# KiCad board demo_matrix2.kicad_pcb (continued)
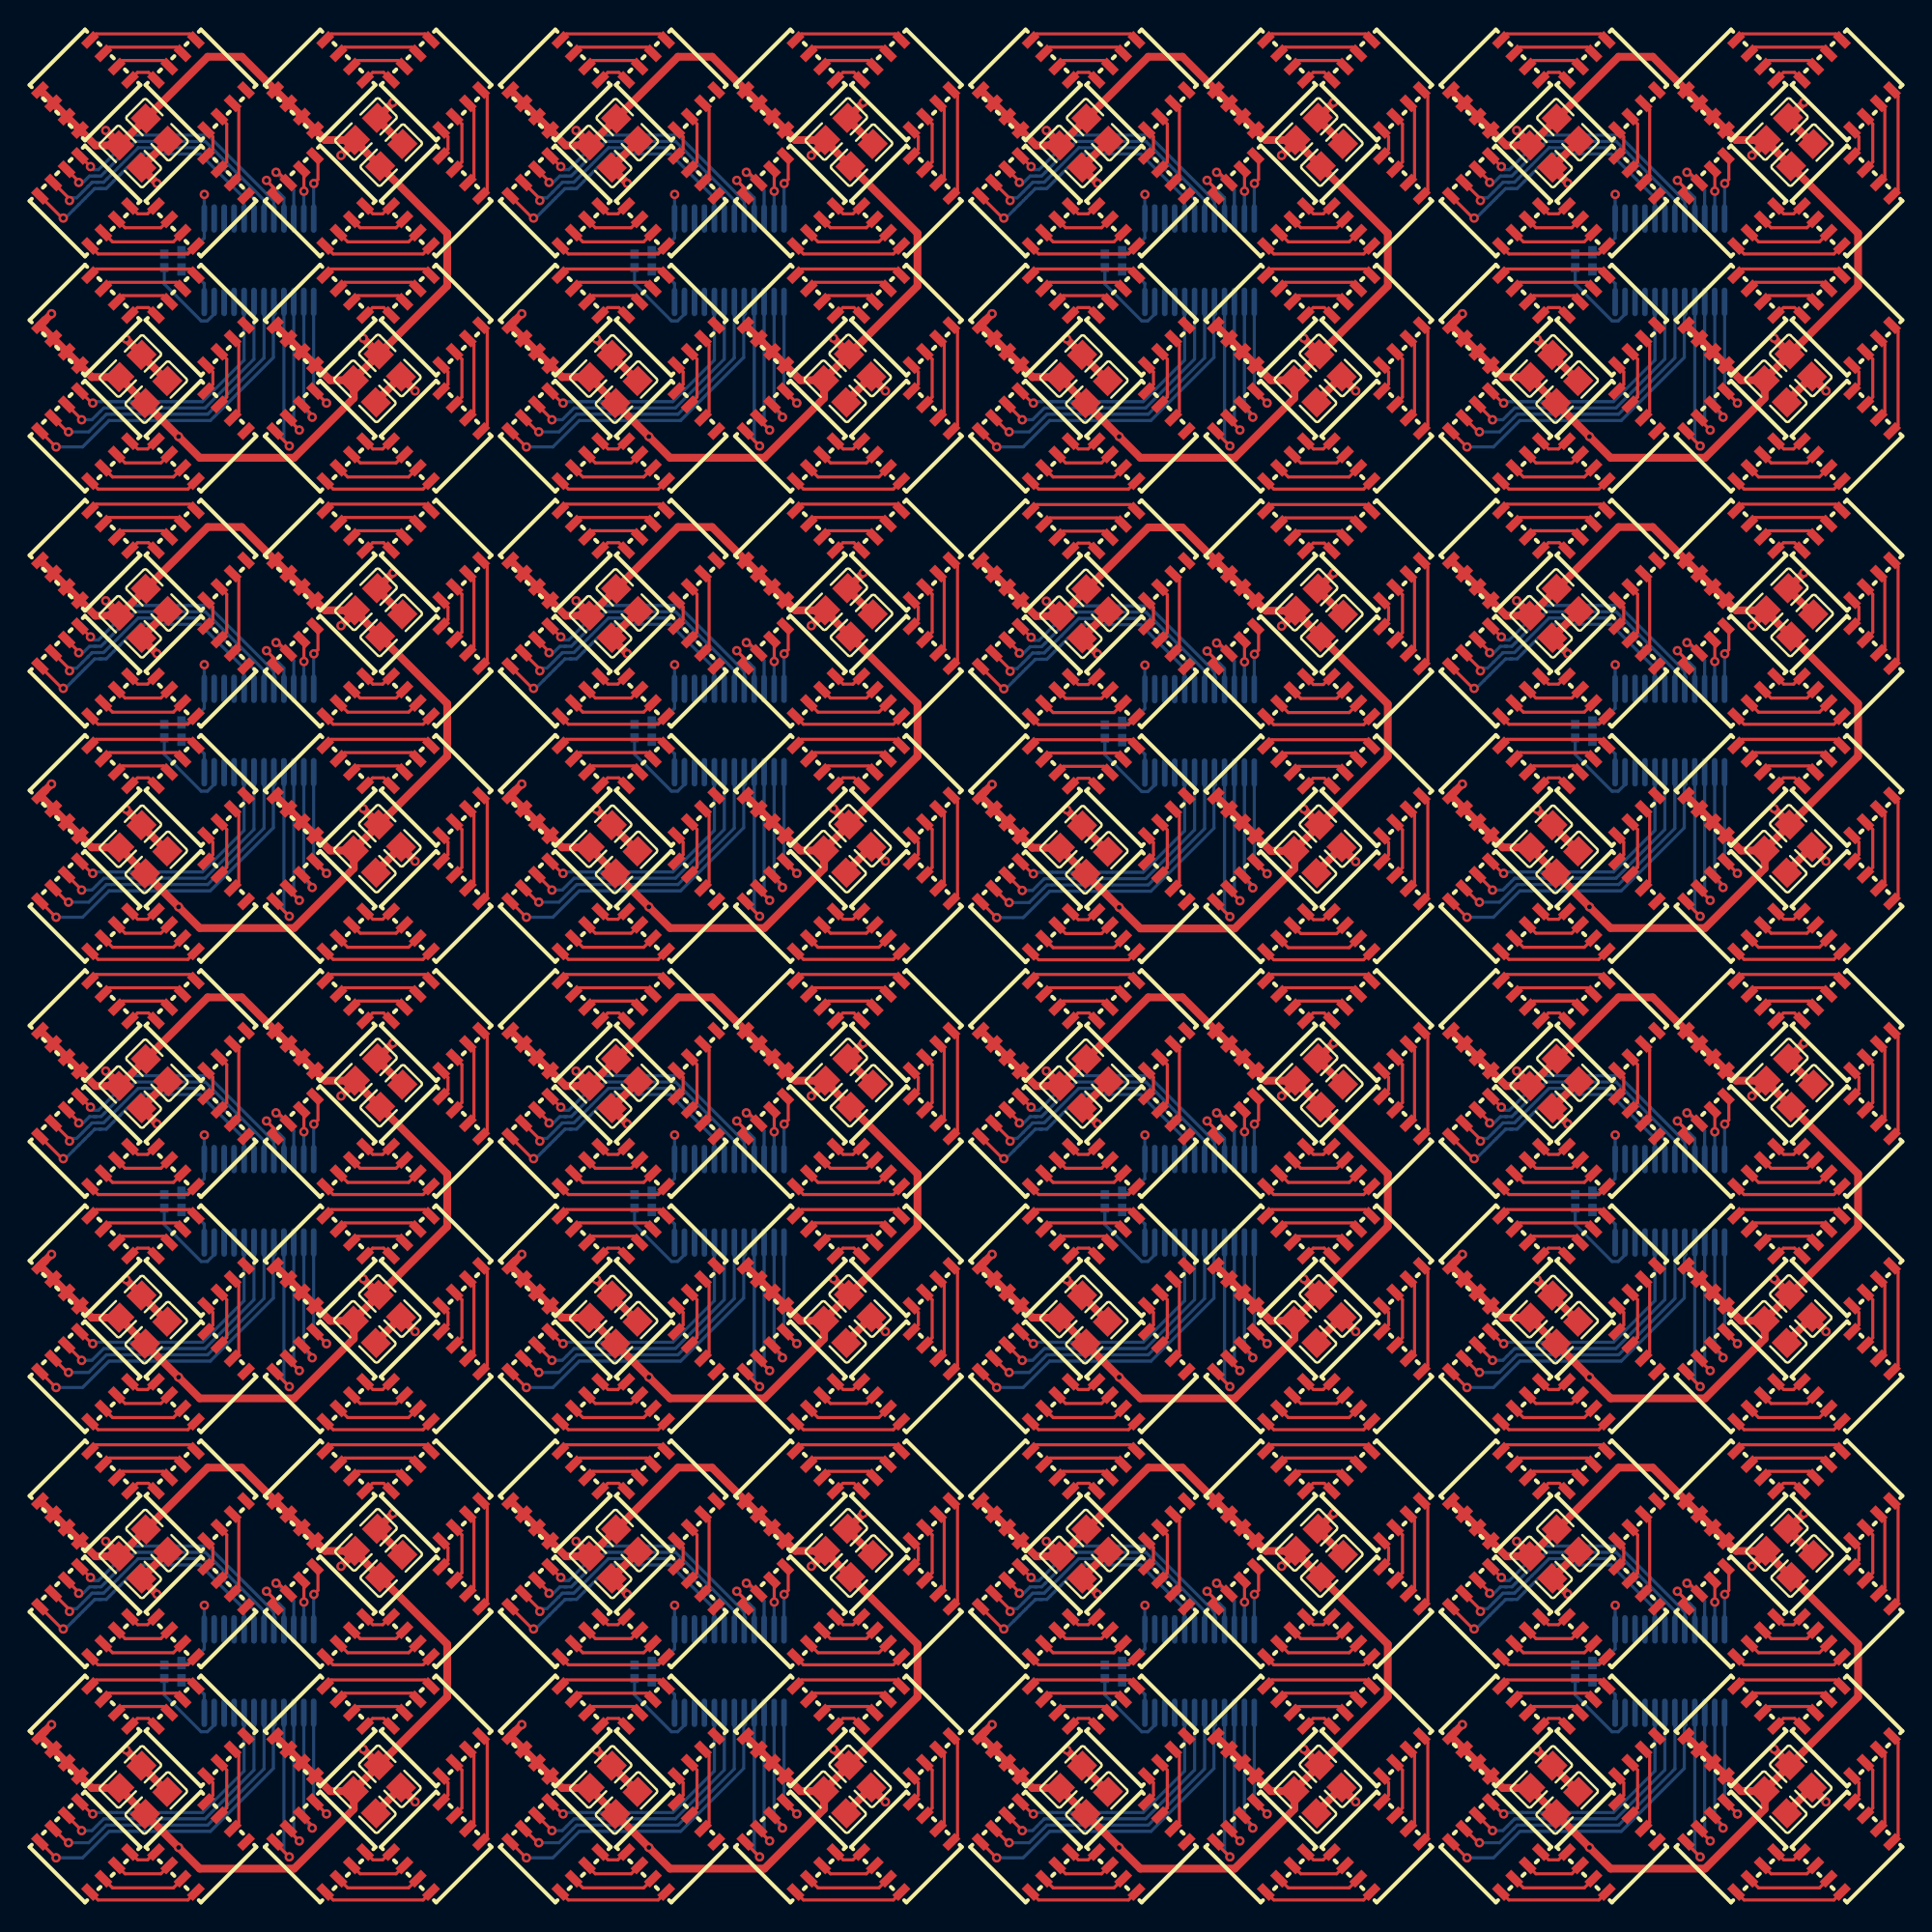
[diagram p0: board, top side]
## Library data of the parts (continued)
C119 = -: Datasheet: https://www.lcsc.com/datasheet/lcsc_datasheet_2304140030_Samsung-Electro-Mechanics-CL21A106KAYNNNE_C15850.pdf; checksum: 2efee64587c296a5cd0f3e349ce7cd0fc1c47f181b6484f8010775e222db87f5; __atopile_lib_fp_hash__: c5a05aaf-b100-3f7c-5a0c-497c1d001f05; LCSC: C15850; Manufacturer: Samsung Electro-Mechanics; Partnumber: CL21A106KAYNNNE; PARAM_capacitance: {"type": "Quantity_Interval_Disjoint", "data": {"intervals": {"type": "Numeric_Interval_Disjoint", "data": {"intervals": [{"type": "Numeric_Interval", "data": {"min": 8.999999985e-06, "max": 1.1000000015e-05}}]}}, "unit": "farad"}}; PARAM_max_voltage: {"type": "Quantity_Set_Discrete", "data": {"intervals": {"type": "Numeric_Interval_Disjoint", "data": {"intervals": [{"type": "Numeric_Interval", "data": {"min": 25.0, "max": 25.0}}]}}, "unit": "volt"}}; PARAM_temperature_coefficient: {"type": "EnumSet", "data": {"elements": [{"name": "X5R"}], "enum": {"name": "TemperatureCoefficient", "values": {"Y5V": 1, "Z5U": 2, "X7S": 3, "X5R": 4, "X6R": 5, "X7R": 6, "X8R": 7, "C0G": 8}}}}; atopile_address: clusters[13].decoupling_capacitors[1]; atopile_subaddresses: [elec/layout/cluster2x2/cluster2x2.kicad_pcb:decoupling_capacitors[1]]
C120 = -: Datasheet: https://www.lcsc.com/datasheet/lcsc_datasheet_2304140030_Samsung-Electro-Mechanics-CL21A106KAYNNNE_C15850.pdf; checksum: 2efee64587c296a5cd0f3e349ce7cd0fc1c47f181b6484f8010775e222db87f5; __atopile_lib_fp_hash__: c5a05aaf-b100-3f7c-5a0c-497c1d001f05; LCSC: C15850; Manufacturer: Samsung Electro-Mechanics; Partnumber: CL21A106KAYNNNE; PARAM_capacitance: {"type": "Quantity_Interval_Disjoint", "data": {"intervals": {"type": "Numeric_Interval_Disjoint", "data": {"intervals": [{"type": "Numeric_Interval", "data": {"min": 8.999999985e-06, "max": 1.1000000015e-05}}]}}, "unit": "farad"}}; PARAM_max_voltage: {"type": "Quantity_Set_Discrete", "data": {"intervals": {"type": "Numeric_Interval_Disjoint", "data": {"intervals": [{"type": "Numeric_Interval", "data": {"min": 25.0, "max": 25.0}}]}}, "unit": "volt"}}; PARAM_temperature_coefficient: {"type": "EnumSet", "data": {"elements": [{"name": "X5R"}], "enum": {"name": "TemperatureCoefficient", "values": {"Y5V": 1, "Z5U": 2, "X7S": 3, "X5R": 4, "X6R": 5, "X7R": 6, "X8R": 7, "C0G": 8}}}}; atopile_address: clusters[13].decoupling_capacitors[2]; atopile_subaddresses: [elec/layout/cluster2x2/cluster2x2.kicad_pcb:decoupling_capacitors[2]]
C121 = -: Datasheet: https://www.lcsc.com/datasheet/lcsc_datasheet_2304140030_Samsung-Electro-Mechanics-CL21A106KAYNNNE_C15850.pdf; checksum: 2efee64587c296a5cd0f3e349ce7cd0fc1c47f181b6484f8010775e222db87f5; __atopile_lib_fp_hash__: c5a05aaf-b100-3f7c-5a0c-497c1d001f05; LCSC: C15850; Manufacturer: Samsung Electro-Mechanics; Partnumber: CL21A106KAYNNNE; PARAM_capacitance: {"type": "Quantity_Interval_Disjoint", "data": {"intervals": {"type": "Numeric_Interval_Disjoint", "data": {"intervals": [{"type": "Numeric_Interval", "data": {"min": 8.999999985e-06, "max": 1.1000000015e-05}}]}}, "unit": "farad"}}; PARAM_max_voltage: {"type": "Quantity_Set_Discrete", "data": {"intervals": {"type": "Numeric_Interval_Disjoint", "data": {"intervals": [{"type": "Numeric_Interval", "data": {"min": 25.0, "max": 25.0}}]}}, "unit": "volt"}}; PARAM_temperature_coefficient: {"type": "EnumSet", "data": {"elements": [{"name": "X5R"}], "enum": {"name": "TemperatureCoefficient", "values": {"Y5V": 1, "Z5U": 2, "X7S": 3, "X5R": 4, "X6R": 5, "X7R": 6, "X8R": 7, "C0G": 8}}}}; atopile_address: clusters[13].decoupling_capacitors[3]; atopile_subaddresses: [elec/layout/cluster2x2/cluster2x2.kicad_pcb:decoupling_capacitors[3]]
C122 = -: Datasheet: https://www.lcsc.com/datasheet/lcsc_datasheet_2304140030_Samsung-Electro-Mechanics-CL21A106KAYNNNE_C15850.pdf; checksum: 2efee64587c296a5cd0f3e349ce7cd0fc1c47f181b6484f8010775e222db87f5; __atopile_lib_fp_hash__: c5a05aaf-b100-3f7c-5a0c-497c1d001f05; LCSC: C15850; Manufacturer: Samsung Electro-Mechanics; Partnumber: CL21A106KAYNNNE; PARAM_capacitance: {"type": "Quantity_Interval_Disjoint", "data": {"intervals": {"type": "Numeric_Interval_Disjoint", "data": {"intervals": [{"type": "Numeric_Interval", "data": {"min": 8.999999985e-06, "max": 1.1000000015e-05}}]}}, "unit": "farad"}}; PARAM_max_voltage: {"type": "Quantity_Set_Discrete", "data": {"intervals": {"type": "Numeric_Interval_Disjoint", "data": {"intervals": [{"type": "Numeric_Interval", "data": {"min": 25.0, "max": 25.0}}]}}, "unit": "volt"}}; PARAM_temperature_coefficient: {"type": "EnumSet", "data": {"elements": [{"name": "X5R"}], "enum": {"name": "TemperatureCoefficient", "values": {"Y5V": 1, "Z5U": 2, "X7S": 3, "X5R": 4, "X6R": 5, "X7R": 6, "X8R": 7, "C0G": 8}}}}; atopile_address: clusters[13].decoupling_capacitors[4]; atopile_subaddresses: [elec/layout/cluster2x2/cluster2x2.kicad_pcb:decoupling_capacitors[4]]
C123 = -: Datasheet: https://www.lcsc.com/datasheet/lcsc_datasheet_2304140030_Samsung-Electro-Mechanics-CL21A106KAYNNNE_C15850.pdf; checksum: 2efee64587c296a5cd0f3e349ce7cd0fc1c47f181b6484f8010775e222db87f5; __atopile_lib_fp_hash__: c5a05aaf-b100-3f7c-5a0c-497c1d001f05; LCSC: C15850; Manufacturer: Samsung Electro-Mechanics; Partnumber: CL21A106KAYNNNE; PARAM_capacitance: {"type": "Quantity_Interval_Disjoint", "data": {"intervals": {"type": "Numeric_Interval_Disjoint", "data": {"intervals": [{"type": "Numeric_Interval", "data": {"min": 8.999999985e-06, "max": 1.1000000015e-05}}]}}, "unit": "farad"}}; PARAM_max_voltage: {"type": "Quantity_Set_Discrete", "data": {"intervals": {"type": "Numeric_Interval_Disjoint", "data": {"intervals": [{"type": "Numeric_Interval", "data": {"min": 25.0, "max": 25.0}}]}}, "unit": "volt"}}; PARAM_temperature_coefficient: {"type": "EnumSet", "data": {"elements": [{"name": "X5R"}], "enum": {"name": "TemperatureCoefficient", "values": {"Y5V": 1, "Z5U": 2, "X7S": 3, "X5R": 4, "X6R": 5, "X7R": 6, "X8R": 7, "C0G": 8}}}}; atopile_address: clusters[13].decoupling_capacitors[5]; atopile_subaddresses: [elec/layout/cluster2x2/cluster2x2.kicad_pcb:decoupling_capacitors[5]]
C124 = -: Datasheet: https://www.lcsc.com/datasheet/lcsc_datasheet_2304140030_Samsung-Electro-Mechanics-CL21A106KAYNNNE_C15850.pdf; checksum: 2efee64587c296a5cd0f3e349ce7cd0fc1c47f181b6484f8010775e222db87f5; __atopile_lib_fp_hash__: c5a05aaf-b100-3f7c-5a0c-497c1d001f05; LCSC: C15850; Manufacturer: Samsung Electro-Mechanics; Partnumber: CL21A106KAYNNNE; PARAM_capacitance: {"type": "Quantity_Interval_Disjoint", "data": {"intervals": {"type": "Numeric_Interval_Disjoint", "data": {"intervals": [{"type": "Numeric_Interval", "data": {"min": 8.999999985e-06, "max": 1.1000000015e-05}}]}}, "unit": "farad"}}; PARAM_max_voltage: {"type": "Quantity_Set_Discrete", "data": {"intervals": {"type": "Numeric_Interval_Disjoint", "data": {"intervals": [{"type": "Numeric_Interval", "data": {"min": 25.0, "max": 25.0}}]}}, "unit": "volt"}}; PARAM_temperature_coefficient: {"type": "EnumSet", "data": {"elements": [{"name": "X5R"}], "enum": {"name": "TemperatureCoefficient", "values": {"Y5V": 1, "Z5U": 2, "X7S": 3, "X5R": 4, "X6R": 5, "X7R": 6, "X8R": 7, "C0G": 8}}}}; atopile_address: clusters[13].decoupling_capacitors[6]; atopile_subaddresses: [elec/layout/cluster2x2/cluster2x2.kicad_pcb:decoupling_capacitors[6]]
C125 = -: Datasheet: https://www.lcsc.com/datasheet/lcsc_datasheet_2304140030_Samsung-Electro-Mechanics-CL21A106KAYNNNE_C15850.pdf; checksum: 2efee64587c296a5cd0f3e349ce7cd0fc1c47f181b6484f8010775e222db87f5; __atopile_lib_fp_hash__: c5a05aaf-b100-3f7c-5a0c-497c1d001f05; LCSC: C15850; Manufacturer: Samsung Electro-Mechanics; Partnumber: CL21A106KAYNNNE; PARAM_capacitance: {"type": "Quantity_Interval_Disjoint", "data": {"intervals": {"type": "Numeric_Interval_Disjoint", "data": {"intervals": [{"type": "Numeric_Interval", "data": {"min": 8.999999985e-06, "max": 1.1000000015e-05}}]}}, "unit": "farad"}}; PARAM_max_voltage: {"type": "Quantity_Set_Discrete", "data": {"intervals": {"type": "Numeric_Interval_Disjoint", "data": {"intervals": [{"type": "Numeric_Interval", "data": {"min": 25.0, "max": 25.0}}]}}, "unit": "volt"}}; PARAM_temperature_coefficient: {"type": "EnumSet", "data": {"elements": [{"name": "X5R"}], "enum": {"name": "TemperatureCoefficient", "values": {"Y5V": 1, "Z5U": 2, "X7S": 3, "X5R": 4, "X6R": 5, "X7R": 6, "X8R": 7, "C0G": 8}}}}; atopile_address: clusters[13].decoupling_capacitors[7]; atopile_subaddresses: [elec/layout/cluster2x2/cluster2x2.kicad_pcb:decoupling_capacitors[7]]
C126 = -: Datasheet: https://www.lcsc.com/datasheet/lcsc_datasheet_2304140030_Samsung-Electro-Mechanics-CL05B104KO5NNNC_C1525.pdf; checksum: f44defb5d0b15709affa4e668c343aa5b66387b7b77dbacc33fdf9ee361d8b21; __atopile_lib_fp_hash__: 67d786e5-5646-2efc-51a4-54c2d5086318; LCSC: C1525; Manufacturer: Samsung Electro-Mechanics; Partnumber: CL05B104KO5NNNC; PARAM_capacitance: {"type": "Quantity_Interval_Disjoint", "data": {"intervals": {"type": "Numeric_Interval_Disjoint", "data": {"intervals": [{"type": "Numeric_Interval", "data": {"min": 9e-08, "max": 1.1e-07}}]}}, "unit": "farad"}}; PARAM_max_voltage: {"type": "Quantity_Set_Discrete", "data": {"intervals": {"type": "Numeric_Interval_Disjoint", "data": {"intervals": [{"type": "Numeric_Interval", "data": {"min": 16.0, "max": 16.0}}]}}, "unit": "volt"}}; PARAM_temperature_coefficient: {"type": "EnumSet", "data": {"elements": [{"name": "X7R"}], "enum": {"name": "TemperatureCoefficient", "values": {"Y5V": 1, "Z5U": 2, "X7S": 3, "X5R": 4, "X6R": 5, "X7R": 6, "X8R": 7, "C0G": 8}}}}; atopile_address: clusters[13].driver.bypass_capacitor; atopile_subaddresses: [elec/layout/cluster2x2/cluster2x2.kicad_pcb:driver.bypass_capacitor, elec/src/macroblock-mbi5043/layouts/default/default.kicad_pcb:bypass_capacitor]
C127 = -: Datasheet: https://www.lcsc.com/datasheet/lcsc_datasheet_2304140030_Samsung-Electro-Mechanics-CL21A106KAYNNNE_C15850.pdf; checksum: 2efee64587c296a5cd0f3e349ce7cd0fc1c47f181b6484f8010775e222db87f5; __atopile_lib_fp_hash__: c5a05aaf-b100-3f7c-5a0c-497c1d001f05; LCSC: C15850; Manufacturer: Samsung Electro-Mechanics; Partnumber: CL21A106KAYNNNE; PARAM_capacitance: {"type": "Quantity_Interval_Disjoint", "data": {"intervals": {"type": "Numeric_Interval_Disjoint", "data": {"intervals": [{"type": "Numeric_Interval", "data": {"min": 8.999999985e-06, "max": 1.1000000015e-05}}]}}, "unit": "farad"}}; PARAM_max_voltage: {"type": "Quantity_Set_Discrete", "data": {"intervals": {"type": "Numeric_Interval_Disjoint", "data": {"intervals": [{"type": "Numeric_Interval", "data": {"min": 25.0, "max": 25.0}}]}}, "unit": "volt"}}; PARAM_temperature_coefficient: {"type": "EnumSet", "data": {"elements": [{"name": "X5R"}], "enum": {"name": "TemperatureCoefficient", "values": {"Y5V": 1, "Z5U": 2, "X7S": 3, "X5R": 4, "X6R": 5, "X7R": 6, "X8R": 7, "C0G": 8}}}}; atopile_address: clusters[14].decoupling_capacitors[0]; atopile_subaddresses: [elec/layout/cluster2x2/cluster2x2.kicad_pcb:decoupling_capacitors[0]]
C128 = -: Datasheet: https://www.lcsc.com/datasheet/lcsc_datasheet_2304140030_Samsung-Electro-Mechanics-CL21A106KAYNNNE_C15850.pdf; checksum: 2efee64587c296a5cd0f3e349ce7cd0fc1c47f181b6484f8010775e222db87f5; __atopile_lib_fp_hash__: c5a05aaf-b100-3f7c-5a0c-497c1d001f05; LCSC: C15850; Manufacturer: Samsung Electro-Mechanics; Partnumber: CL21A106KAYNNNE; PARAM_capacitance: {"type": "Quantity_Interval_Disjoint", "data": {"intervals": {"type": "Numeric_Interval_Disjoint", "data": {"intervals": [{"type": "Numeric_Interval", "data": {"min": 8.999999985e-06, "max": 1.1000000015e-05}}]}}, "unit": "farad"}}; PARAM_max_voltage: {"type": "Quantity_Set_Discrete", "data": {"intervals": {"type": "Numeric_Interval_Disjoint", "data": {"intervals": [{"type": "Numeric_Interval", "data": {"min": 25.0, "max": 25.0}}]}}, "unit": "volt"}}; PARAM_temperature_coefficient: {"type": "EnumSet", "data": {"elements": [{"name": "X5R"}], "enum": {"name": "TemperatureCoefficient", "values": {"Y5V": 1, "Z5U": 2, "X7S": 3, "X5R": 4, "X6R": 5, "X7R": 6, "X8R": 7, "C0G": 8}}}}; atopile_address: clusters[14].decoupling_capacitors[1]; atopile_subaddresses: [elec/layout/cluster2x2/cluster2x2.kicad_pcb:decoupling_capacitors[1]]
C129 = -: Datasheet: https://www.lcsc.com/datasheet/lcsc_datasheet_2304140030_Samsung-Electro-Mechanics-CL21A106KAYNNNE_C15850.pdf; checksum: 2efee64587c296a5cd0f3e349ce7cd0fc1c47f181b6484f8010775e222db87f5; __atopile_lib_fp_hash__: c5a05aaf-b100-3f7c-5a0c-497c1d001f05; LCSC: C15850; Manufacturer: Samsung Electro-Mechanics; Partnumber: CL21A106KAYNNNE; PARAM_capacitance: {"type": "Quantity_Interval_Disjoint", "data": {"intervals": {"type": "Numeric_Interval_Disjoint", "data": {"intervals": [{"type": "Numeric_Interval", "data": {"min": 8.999999985e-06, "max": 1.1000000015e-05}}]}}, "unit": "farad"}}; PARAM_max_voltage: {"type": "Quantity_Set_Discrete", "data": {"intervals": {"type": "Numeric_Interval_Disjoint", "data": {"intervals": [{"type": "Numeric_Interval", "data": {"min": 25.0, "max": 25.0}}]}}, "unit": "volt"}}; PARAM_temperature_coefficient: {"type": "EnumSet", "data": {"elements": [{"name": "X5R"}], "enum": {"name": "TemperatureCoefficient", "values": {"Y5V": 1, "Z5U": 2, "X7S": 3, "X5R": 4, "X6R": 5, "X7R": 6, "X8R": 7, "C0G": 8}}}}; atopile_address: clusters[14].decoupling_capacitors[2]; atopile_subaddresses: [elec/layout/cluster2x2/cluster2x2.kicad_pcb:decoupling_capacitors[2]]
C130 = -: Datasheet: https://www.lcsc.com/datasheet/lcsc_datasheet_2304140030_Samsung-Electro-Mechanics-CL21A106KAYNNNE_C15850.pdf; checksum: 2efee64587c296a5cd0f3e349ce7cd0fc1c47f181b6484f8010775e222db87f5; __atopile_lib_fp_hash__: c5a05aaf-b100-3f7c-5a0c-497c1d001f05; LCSC: C15850; Manufacturer: Samsung Electro-Mechanics; Partnumber: CL21A106KAYNNNE; PARAM_capacitance: {"type": "Quantity_Interval_Disjoint", "data": {"intervals": {"type": "Numeric_Interval_Disjoint", "data": {"intervals": [{"type": "Numeric_Interval", "data": {"min": 8.999999985e-06, "max": 1.1000000015e-05}}]}}, "unit": "farad"}}; PARAM_max_voltage: {"type": "Quantity_Set_Discrete", "data": {"intervals": {"type": "Numeric_Interval_Disjoint", "data": {"intervals": [{"type": "Numeric_Interval", "data": {"min": 25.0, "max": 25.0}}]}}, "unit": "volt"}}; PARAM_temperature_coefficient: {"type": "EnumSet", "data": {"elements": [{"name": "X5R"}], "enum": {"name": "TemperatureCoefficient", "values": {"Y5V": 1, "Z5U": 2, "X7S": 3, "X5R": 4, "X6R": 5, "X7R": 6, "X8R": 7, "C0G": 8}}}}; atopile_address: clusters[14].decoupling_capacitors[3]; atopile_subaddresses: [elec/layout/cluster2x2/cluster2x2.kicad_pcb:decoupling_capacitors[3]]
C131 = -: Datasheet: https://www.lcsc.com/datasheet/lcsc_datasheet_2304140030_Samsung-Electro-Mechanics-CL21A106KAYNNNE_C15850.pdf; checksum: 2efee64587c296a5cd0f3e349ce7cd0fc1c47f181b6484f8010775e222db87f5; __atopile_lib_fp_hash__: c5a05aaf-b100-3f7c-5a0c-497c1d001f05; LCSC: C15850; Manufacturer: Samsung Electro-Mechanics; Partnumber: CL21A106KAYNNNE; PARAM_capacitance: {"type": "Quantity_Interval_Disjoint", "data": {"intervals": {"type": "Numeric_Interval_Disjoint", "data": {"intervals": [{"type": "Numeric_Interval", "data": {"min": 8.999999985e-06, "max": 1.1000000015e-05}}]}}, "unit": "farad"}}; PARAM_max_voltage: {"type": "Quantity_Set_Discrete", "data": {"intervals": {"type": "Numeric_Interval_Disjoint", "data": {"intervals": [{"type": "Numeric_Interval", "data": {"min": 25.0, "max": 25.0}}]}}, "unit": "volt"}}; PARAM_temperature_coefficient: {"type": "EnumSet", "data": {"elements": [{"name": "X5R"}], "enum": {"name": "TemperatureCoefficient", "values": {"Y5V": 1, "Z5U": 2, "X7S": 3, "X5R": 4, "X6R": 5, "X7R": 6, "X8R": 7, "C0G": 8}}}}; atopile_address: clusters[14].decoupling_capacitors[4]; atopile_subaddresses: [elec/layout/cluster2x2/cluster2x2.kicad_pcb:decoupling_capacitors[4]]
C132 = -: Datasheet: https://www.lcsc.com/datasheet/lcsc_datasheet_2304140030_Samsung-Electro-Mechanics-CL21A106KAYNNNE_C15850.pdf; checksum: 2efee64587c296a5cd0f3e349ce7cd0fc1c47f181b6484f8010775e222db87f5; __atopile_lib_fp_hash__: c5a05aaf-b100-3f7c-5a0c-497c1d001f05; LCSC: C15850; Manufacturer: Samsung Electro-Mechanics; Partnumber: CL21A106KAYNNNE; PARAM_capacitance: {"type": "Quantity_Interval_Disjoint", "data": {"intervals": {"type": "Numeric_Interval_Disjoint", "data": {"intervals": [{"type": "Numeric_Interval", "data": {"min": 8.999999985e-06, "max": 1.1000000015e-05}}]}}, "unit": "farad"}}; PARAM_max_voltage: {"type": "Quantity_Set_Discrete", "data": {"intervals": {"type": "Numeric_Interval_Disjoint", "data": {"intervals": [{"type": "Numeric_Interval", "data": {"min": 25.0, "max": 25.0}}]}}, "unit": "volt"}}; PARAM_temperature_coefficient: {"type": "EnumSet", "data": {"elements": [{"name": "X5R"}], "enum": {"name": "TemperatureCoefficient", "values": {"Y5V": 1, "Z5U": 2, "X7S": 3, "X5R": 4, "X6R": 5, "X7R": 6, "X8R": 7, "C0G": 8}}}}; atopile_address: clusters[14].decoupling_capacitors[5]; atopile_subaddresses: [elec/layout/cluster2x2/cluster2x2.kicad_pcb:decoupling_capacitors[5]]
C133 = -: Datasheet: https://www.lcsc.com/datasheet/lcsc_datasheet_2304140030_Samsung-Electro-Mechanics-CL21A106KAYNNNE_C15850.pdf; checksum: 2efee64587c296a5cd0f3e349ce7cd0fc1c47f181b6484f8010775e222db87f5; __atopile_lib_fp_hash__: c5a05aaf-b100-3f7c-5a0c-497c1d001f05; LCSC: C15850; Manufacturer: Samsung Electro-Mechanics; Partnumber: CL21A106KAYNNNE; PARAM_capacitance: {"type": "Quantity_Interval_Disjoint", "data": {"intervals": {"type": "Numeric_Interval_Disjoint", "data": {"intervals": [{"type": "Numeric_Interval", "data": {"min": 8.999999985e-06, "max": 1.1000000015e-05}}]}}, "unit": "farad"}}; PARAM_max_voltage: {"type": "Quantity_Set_Discrete", "data": {"intervals": {"type": "Numeric_Interval_Disjoint", "data": {"intervals": [{"type": "Numeric_Interval", "data": {"min": 25.0, "max": 25.0}}]}}, "unit": "volt"}}; PARAM_temperature_coefficient: {"type": "EnumSet", "data": {"elements": [{"name": "X5R"}], "enum": {"name": "TemperatureCoefficient", "values": {"Y5V": 1, "Z5U": 2, "X7S": 3, "X5R": 4, "X6R": 5, "X7R": 6, "X8R": 7, "C0G": 8}}}}; atopile_address: clusters[14].decoupling_capacitors[6]; atopile_subaddresses: [elec/layout/cluster2x2/cluster2x2.kicad_pcb:decoupling_capacitors[6]]
C134 = -: Datasheet: https://www.lcsc.com/datasheet/lcsc_datasheet_2304140030_Samsung-Electro-Mechanics-CL21A106KAYNNNE_C15850.pdf; checksum: 2efee64587c296a5cd0f3e349ce7cd0fc1c47f181b6484f8010775e222db87f5; __atopile_lib_fp_hash__: c5a05aaf-b100-3f7c-5a0c-497c1d001f05; LCSC: C15850; Manufacturer: Samsung Electro-Mechanics; Partnumber: CL21A106KAYNNNE; PARAM_capacitance: {"type": "Quantity_Interval_Disjoint", "data": {"intervals": {"type": "Numeric_Interval_Disjoint", "data": {"intervals": [{"type": "Numeric_Interval", "data": {"min": 8.999999985e-06, "max": 1.1000000015e-05}}]}}, "unit": "farad"}}; PARAM_max_voltage: {"type": "Quantity_Set_Discrete", "data": {"intervals": {"type": "Numeric_Interval_Disjoint", "data": {"intervals": [{"type": "Numeric_Interval", "data": {"min": 25.0, "max": 25.0}}]}}, "unit": "volt"}}; PARAM_temperature_coefficient: {"type": "EnumSet", "data": {"elements": [{"name": "X5R"}], "enum": {"name": "TemperatureCoefficient", "values": {"Y5V": 1, "Z5U": 2, "X7S": 3, "X5R": 4, "X6R": 5, "X7R": 6, "X8R": 7, "C0G": 8}}}}; atopile_address: clusters[14].decoupling_capacitors[7]; atopile_subaddresses: [elec/layout/cluster2x2/cluster2x2.kicad_pcb:decoupling_capacitors[7]]
C135 = -: Datasheet: https://www.lcsc.com/datasheet/lcsc_datasheet_2304140030_Samsung-Electro-Mechanics-CL05B104KO5NNNC_C1525.pdf; checksum: f44defb5d0b15709affa4e668c343aa5b66387b7b77dbacc33fdf9ee361d8b21; __atopile_lib_fp_hash__: 67d786e5-5646-2efc-51a4-54c2d5086318; LCSC: C1525; Manufacturer: Samsung Electro-Mechanics; Partnumber: CL05B104KO5NNNC; PARAM_capacitance: {"type": "Quantity_Interval_Disjoint", "data": {"intervals": {"type": "Numeric_Interval_Disjoint", "data": {"intervals": [{"type": "Numeric_Interval", "data": {"min": 9e-08, "max": 1.1e-07}}]}}, "unit": "farad"}}; PARAM_max_voltage: {"type": "Quantity_Set_Discrete", "data": {"intervals": {"type": "Numeric_Interval_Disjoint", "data": {"intervals": [{"type": "Numeric_Interval", "data": {"min": 16.0, "max": 16.0}}]}}, "unit": "volt"}}; PARAM_temperature_coefficient: {"type": "EnumSet", "data": {"elements": [{"name": "X7R"}], "enum": {"name": "TemperatureCoefficient", "values": {"Y5V": 1, "Z5U": 2, "X7S": 3, "X5R": 4, "X6R": 5, "X7R": 6, "X8R": 7, "C0G": 8}}}}; atopile_address: clusters[14].driver.bypass_capacitor; atopile_subaddresses: [elec/layout/cluster2x2/cluster2x2.kicad_pcb:driver.bypass_capacitor, elec/src/macroblock-mbi5043/layouts/default/default.kicad_pcb:bypass_capacitor]
C136 = -: Datasheet: https://www.lcsc.com/datasheet/lcsc_datasheet_2304140030_Samsung-Electro-Mechanics-CL21A106KAYNNNE_C15850.pdf; checksum: 2efee64587c296a5cd0f3e349ce7cd0fc1c47f181b6484f8010775e222db87f5; __atopile_lib_fp_hash__: c5a05aaf-b100-3f7c-5a0c-497c1d001f05; LCSC: C15850; Manufacturer: Samsung Electro-Mechanics; Partnumber: CL21A106KAYNNNE; PARAM_capacitance: {"type": "Quantity_Interval_Disjoint", "data": {"intervals": {"type": "Numeric_Interval_Disjoint", "data": {"intervals": [{"type": "Numeric_Interval", "data": {"min": 8.999999985e-06, "max": 1.1000000015e-05}}]}}, "unit": "farad"}}; PARAM_max_voltage: {"type": "Quantity_Set_Discrete", "data": {"intervals": {"type": "Numeric_Interval_Disjoint", "data": {"intervals": [{"type": "Numeric_Interval", "data": {"min": 25.0, "max": 25.0}}]}}, "unit": "volt"}}; PARAM_temperature_coefficient: {"type": "EnumSet", "data": {"elements": [{"name": "X5R"}], "enum": {"name": "TemperatureCoefficient", "values": {"Y5V": 1, "Z5U": 2, "X7S": 3, "X5R": 4, "X6R": 5, "X7R": 6, "X8R": 7, "C0G": 8}}}}; atopile_address: clusters[15].decoupling_capacitors[0]; atopile_subaddresses: [elec/layout/cluster2x2/cluster2x2.kicad_pcb:decoupling_capacitors[0]]
C137 = -: Datasheet: https://www.lcsc.com/datasheet/lcsc_datasheet_2304140030_Samsung-Electro-Mechanics-CL21A106KAYNNNE_C15850.pdf; checksum: 2efee64587c296a5cd0f3e349ce7cd0fc1c47f181b6484f8010775e222db87f5; __atopile_lib_fp_hash__: c5a05aaf-b100-3f7c-5a0c-497c1d001f05; LCSC: C15850; Manufacturer: Samsung Electro-Mechanics; Partnumber: CL21A106KAYNNNE; PARAM_capacitance: {"type": "Quantity_Interval_Disjoint", "data": {"intervals": {"type": "Numeric_Interval_Disjoint", "data": {"intervals": [{"type": "Numeric_Interval", "data": {"min": 8.999999985e-06, "max": 1.1000000015e-05}}]}}, "unit": "farad"}}; PARAM_max_voltage: {"type": "Quantity_Set_Discrete", "data": {"intervals": {"type": "Numeric_Interval_Disjoint", "data": {"intervals": [{"type": "Numeric_Interval", "data": {"min": 25.0, "max": 25.0}}]}}, "unit": "volt"}}; PARAM_temperature_coefficient: {"type": "EnumSet", "data": {"elements": [{"name": "X5R"}], "enum": {"name": "TemperatureCoefficient", "values": {"Y5V": 1, "Z5U": 2, "X7S": 3, "X5R": 4, "X6R": 5, "X7R": 6, "X8R": 7, "C0G": 8}}}}; atopile_address: clusters[15].decoupling_capacitors[1]; atopile_subaddresses: [elec/layout/cluster2x2/cluster2x2.kicad_pcb:decoupling_capacitors[1]]
C138 = -: Datasheet: https://www.lcsc.com/datasheet/lcsc_datasheet_2304140030_Samsung-Electro-Mechanics-CL21A106KAYNNNE_C15850.pdf; checksum: 2efee64587c296a5cd0f3e349ce7cd0fc1c47f181b6484f8010775e222db87f5; __atopile_lib_fp_hash__: c5a05aaf-b100-3f7c-5a0c-497c1d001f05; LCSC: C15850; Manufacturer: Samsung Electro-Mechanics; Partnumber: CL21A106KAYNNNE; PARAM_capacitance: {"type": "Quantity_Interval_Disjoint", "data": {"intervals": {"type": "Numeric_Interval_Disjoint", "data": {"intervals": [{"type": "Numeric_Interval", "data": {"min": 8.999999985e-06, "max": 1.1000000015e-05}}]}}, "unit": "farad"}}; PARAM_max_voltage: {"type": "Quantity_Set_Discrete", "data": {"intervals": {"type": "Numeric_Interval_Disjoint", "data": {"intervals": [{"type": "Numeric_Interval", "data": {"min": 25.0, "max": 25.0}}]}}, "unit": "volt"}}; PARAM_temperature_coefficient: {"type": "EnumSet", "data": {"elements": [{"name": "X5R"}], "enum": {"name": "TemperatureCoefficient", "values": {"Y5V": 1, "Z5U": 2, "X7S": 3, "X5R": 4, "X6R": 5, "X7R": 6, "X8R": 7, "C0G": 8}}}}; atopile_address: clusters[15].decoupling_capacitors[2]; atopile_subaddresses: [elec/layout/cluster2x2/cluster2x2.kicad_pcb:decoupling_capacitors[2]]
